# Allegro board SSOM_K1_Layout.brd (continued)
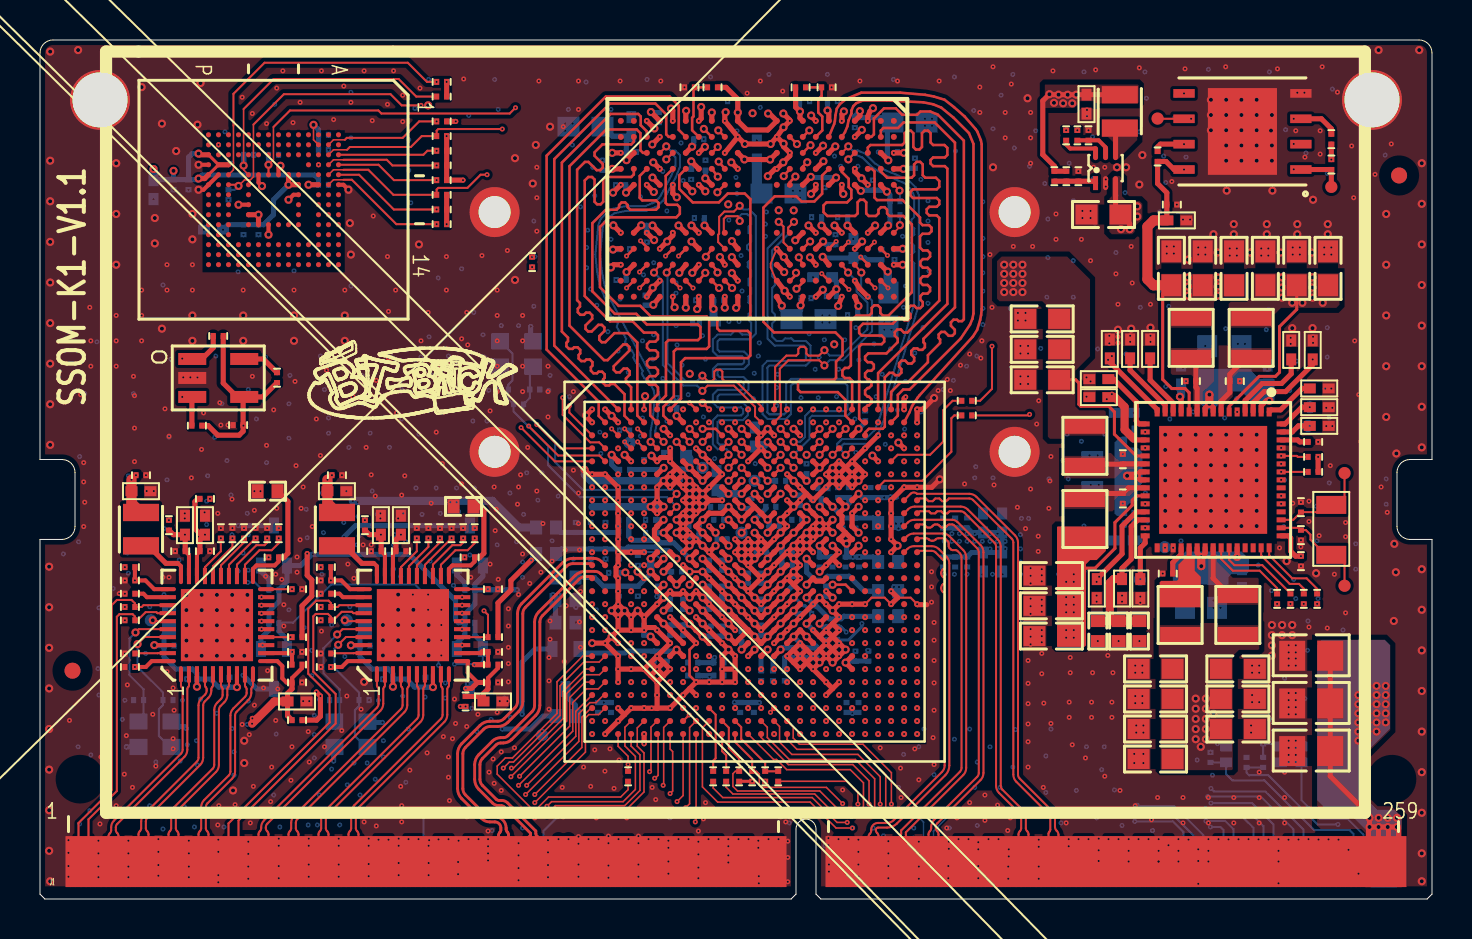
[diagram p0: board, top side]
## Routing (per net, layer and track width the routed paths; a pad name or vN(x,y) marks a point on that pad's centre or on a via; arc(x,y) is an arc through that point) (continued)
  BOTTOM w0.102: J1.16 v4(5.17,2.96)
CSI1_DP2: length 54.7
  L3 w0.102: v2(24.97,21.93) 24.87,21.83 arc(24.81,21.75) 24.79,21.64 24.79,21.46 arc(24.81,21.35) 24.87,21.27 25.77,20.36 arc(25.86,20.3) 25.97,20.28 27.67,20.28 arc(27.84,20.25) 27.99,20.15 28.18,19.96 v1(28.26,19.96)
  L6 w0.102: v4(6.67,3) 6.68,3 6.74,3.05 arc(6.77,3.09) 6.78,3.15 6.78,3.42 arc(6.82,3.61) 6.93,3.78 8.15,5 arc(8.21,5.09) 8.23,5.19 8.23,7.99 arc(8.21,8.09) 8.15,8.18 5.59,10.74 arc(5.5,10.8) 5.4,10.82 4.4,10.82 arc(4.21,10.86) 4.04,10.97 3.2,11.81 arc(3.09,11.98) 3.05,12.17 3.05,13.89 arc(3.09,14.08) 3.2,14.25 5.41,16.46 arc(5.58,16.57) 5.77,16.61 8.15,16.61 arc(8.26,16.65) 8.3,16.76 8.3,17.12 arc(8.27,17.21) 8.18,17.24 7.32,17.24 arc(7.03,17.36) 6.91,17.65 6.91,23.49 arc(6.95,23.68) 7.06,23.85 7.61,24.4 arc(7.77,24.51) 7.97,24.55 23.12,24.55 arc(23.32,24.51) 23.48,24.4 24.64,23.24 arc(24.75,23.07) 24.79,22.88 24.79,22.22 arc(24.81,22.11) 24.87,22.02 v2(24.97,21.93)
  BOTTOM w0.102: J1.22 v4(6.67,3)
CSI1_DP3: length 55.2
  L3 w0.102: v8(30.21,19.31) 30.2,19.31 v2(29.97,19.54)
  L6 w0.102: v4(8.17,3.02) 8.25,3.09 arc(8.29,3.16) 8.31,3.24 8.31,3.73 arc(8.35,3.92) 8.46,4.09 8.86,4.49 arc(8.92,4.58) 8.94,4.69 8.94,8.09 arc(8.92,8.2) 8.86,8.28 5.62,11.52 arc(5.53,11.58) 5.43,11.6 4.74,11.6 arc(4.54,11.64) 4.38,11.75 3.91,12.22 arc(3.8,12.39) 3.76,12.58 3.76,13.63 arc(3.8,13.83) 3.91,13.99 5.67,15.75 arc(5.83,15.86) 6.03,15.9 8.6,15.9 arc(8.7,15.92) 8.79,15.98 9.11,16.3 arc(9.17,16.39) 9.19,16.5 9.19,17.49 arc(9.17,17.59) 9.11,17.68 8.87,17.92 arc(8.78,17.98) 8.68,18 8.08,18 arc(7.75,18.14) 7.62,18.46 7.62,21.4 arc(7.77,21.76) 8.13,21.91 8.36,21.91 arc(8.62,22.16) 8.36,22.41 8.11,22.41 arc(7.76,22.56) 7.62,22.9 7.62,23.03 arc(7.66,23.23) 7.77,23.39 8.03,23.66 arc(8.2,23.77) 8.39,23.8 18.96,23.8 arc(19.16,23.77) 19.32,23.66 22.03,20.94 arc(22.12,20.88) 22.23,20.86 25.89,20.86 arc(26.09,20.82) 26.25,20.71 27.21,19.76 arc(27.24,19.73) 27.28,19.72 29.67,19.72 arc(29.78,19.7) 29.87,19.64 v2(29.97,19.54)
  BOTTOM w0.102: J1.28 v4(8.17,3.02)
CSI1_PWDN: length 66.9
  TOP w0.102: U1.D2 27.95,22.86 27.51,22.86 26.14,24.23 v1(26.14,25.1)
  L3 w0.102: v1(26.14,25.1) 26.14,25.27 21.59,29.82 6.12,29.82 4.19,27.89 4.19,17.7 2.64,16.15 2.64,11.05 11.53,2.16 18.54,2.16 v2(18.67,2.29)
  L6 w0.102: v2(18.67,2.29) 18.67,2.29 18.67,2.66 v4(18.67,2.67)
  BOTTOM w0.102: v4(18.67,2.67) 18.67,2.66 J1.70
CSI1_RST: length 21.7
  TOP w0.076: U1.AF9 32.81,3.9 v1(32.77,3.86)
  L3 w0.102: v2(32.54,4.11) 32.77,3.89 v1(32.77,3.86)
  L6 w0.102: v4(19.35,4.32) 21.74,4.32 23.06,5.64 25.86,5.64 27.51,3.99 32.41,3.99 v2(32.54,4.11)
  BOTTOM w0.102: v4(19.35,4.32) 19.17,4.14 J1.72
CSI2_CKN: length 37
  L3 w0.102: v8(29.56,18.01) v2(29.31,17.76)
  L6 w0.102: v4(17.67,3) 17.6,3.07 arc(17.56,3.14) 17.54,3.21 17.54,3.24 arc(17.51,3.4) 17.42,3.54 17.19,3.76 arc(17.03,3.87) 16.83,3.91 16.67,3.91 arc(16.57,3.93) 16.48,3.99 14.2,6.27 arc(14.14,6.36) 14.12,6.46 14.12,9.06 arc(14.14,9.16) 14.2,9.25 14.63,9.68 arc(14.74,9.85) 14.78,10.04 14.78,11.5 arc(14.74,11.69) 14.63,11.86 14.2,12.29 arc(14.14,12.38) 14.12,12.48 14.12,13.73 arc(14.14,13.83) 14.2,13.92 15.97,15.69 arc(16.06,15.75) 16.16,15.77 16.69,15.77 arc(17.05,15.92) 17.2,16.28 17.2,18.87 arc(17.22,18.97) 17.28,19.06 17.36,19.14 arc(17.5,19.2) 17.64,19.14 20.58,16.2 arc(20.74,16.09) 20.94,16.05 22.5,16.05 22.71,15.85 23.24,15.85 arc(23.6,16) 23.75,16.36 23.75,16.95 arc(23.77,17.06) 23.83,17.15 25.26,18.58 arc(25.35,18.64) 25.46,18.66 25.93,18.66 arc(26.03,18.64) 26.12,18.58 26.67,18.03 arc(26.83,17.92) 27.03,17.89 27.35,17.89 arc(27.39,17.88) 27.43,17.85 27.47,17.81 27.52,17.76 arc(27.55,17.74) 27.6,17.73 27.71,17.73 arc(27.75,17.74) 27.79,17.76 27.83,17.81 27.88,17.85 arc(27.91,17.88) 27.95,17.89 28.07,17.89 arc(28.11,17.88) 28.14,17.85 28.19,17.81 28.24,17.76 arc(28.27,17.74) 28.31,17.73 28.43,17.73 arc(28.47,17.74) 28.5,17.76 28.55,17.81 28.6,17.85 arc(28.63,17.88) 28.67,17.89 29.11,17.89 arc(29.18,17.87) 29.24,17.83 v2(29.31,17.76)
  BOTTOM w0.102: J1.66 v4(17.67,3)
CSI2_CKP: length 38
  L3 w0.102: v2(29.97,17.76) 29.97,17.78 v8(30.21,18.01)
  L6 w0.102: v2(29.97,17.76) 29.97,17.87 29.84,18 arc(29.71,18.09) 29.55,18.12 27.03,18.12 arc(26.92,18.14) 26.83,18.2 26.29,18.75 arc(26.12,18.86) 25.93,18.9 25.46,18.9 arc(25.26,18.86) 25.1,18.75 23.66,17.31 arc(23.55,17.15) 23.52,16.95 23.52,16.36 arc(23.43,16.16) 23.24,16.08 22.8,16.08 22.6,16.29 20.94,16.29 arc(20.83,16.31) 20.74,16.37 17.81,19.3 arc(17.5,19.43) 17.19,19.3 17.12,19.23 arc(17.01,19.06) 16.97,18.87 16.97,16.28 arc(16.89,16.08) 16.69,16 16.16,16 arc(15.97,15.96) 15.8,15.85 14.04,14.09 arc(13.93,13.92) 13.89,13.73 13.89,12.48 arc(13.93,12.29) 14.04,12.12 14.47,11.69 arc(14.53,11.6) 14.55,11.5 14.55,10.04 arc(14.53,9.93) 14.47,9.85 14.04,9.41 arc(13.93,9.25) 13.89,9.06 13.89,6.46 arc(13.93,6.27) 14.04,6.1 16.31,3.83 arc(16.48,3.72) 16.67,3.68 16.83,3.68 arc(16.94,3.66) 17.03,3.6 17.25,3.37 arc(17.29,3.31) 17.31,3.24 17.31,3.21 arc(17.29,3.14) 17.25,3.07 v4(17.17,3)
  BOTTOM w0.102: J1.64 v4(17.17,3)
CSI3_CKN: length 37.3
  L3 w0.102: v2(23.37,18.83) 23.46,18.92 arc(23.55,18.98) 23.66,19 24.46,19 arc(24.53,18.99) 24.6,18.94 24.67,18.88 arc(24.81,18.78) 24.97,18.75 25.89,18.75 25.94,18.7 25.99,18.64 26.2,18.64 26.25,18.7 26.3,18.75 26.5,18.75 26.56,18.7 26.61,18.64 26.81,18.64 26.87,18.7 26.92,18.75 27.46,18.75 arc(27.51,18.74) 27.55,18.71 v1(27.61,18.66)
  L6 w0.102: v4(11.68,3) 11.61,3.07 arc(11.56,3.14) 11.55,3.22 11.55,3.26 arc(11.51,3.45) 11.4,3.61 10.9,4.11 arc(10.84,4.2) 10.82,4.31 10.82,4.61 arc(10.84,4.72) 10.9,4.8 11.54,5.44 arc(11.65,5.6) 11.68,5.8 11.68,20.16 arc(11.7,20.26) 11.76,20.35 13.4,21.99 arc(13.49,22.05) 13.6,22.07 18.48,22.07 arc(18.59,22.05) 18.68,21.99 21.48,19.18 arc(21.65,19.07) 21.84,19.03 23.03,19.03 arc(23.15,19.01) 23.26,18.94 v2(23.37,18.83)
  BOTTOM w0.102: v4(11.68,3) 11.67,2.99 J1.42
CSI3_CKP: length 38.2
  L3 w0.102: v1(28.26,18.66) 28.08,18.83 arc(27.92,18.94) 27.72,18.98 24.97,18.98 arc(24.9,19) 24.83,19.04 24.76,19.11 arc(24.62,19.2) 24.46,19.24 23.66,19.24 arc(23.55,19.26) 23.46,19.32 v2(23.37,19.41)
  L6 w0.102: v2(23.37,19.41) 23.29,19.33 arc(23.22,19.28) 23.13,19.27 21.84,19.27 arc(21.74,19.29) 21.65,19.35 18.84,22.15 arc(18.68,22.26) 18.48,22.3 13.6,22.3 arc(13.4,22.26) 13.24,22.15 11.6,20.51 arc(11.49,20.35) 11.45,20.16 11.45,5.8 arc(11.43,5.69) 11.37,5.6 10.74,4.97 arc(10.63,4.81) 10.59,4.61 10.59,4.31 arc(10.63,4.11) 10.74,3.95 11.24,3.44 arc(11.29,3.36) 11.31,3.26 11.31,3.22 arc(11.3,3.14) 11.25,3.07 v4(11.17,3)
  BOTTOM w0.102: J1.40 v4(11.17,3)
CSI3_DN0: length 38
  L3 w0.102: v2(24.38,19.69) 24.45,19.76 arc(24.51,19.8) 24.58,19.82 24.83,19.82 arc(24.92,19.8) 24.99,19.75 25.23,19.51 arc(25.39,19.4) 25.59,19.36 25.98,19.36 arc(26.05,19.35) 26.1,19.31 26.11,19.3 arc(26.16,19.27) 26.22,19.25 26.3,19.25 arc(26.36,19.27) 26.41,19.3 26.42,19.31 arc(26.47,19.35) 26.53,19.36 26.61,19.36 arc(26.67,19.35) 26.72,19.31 26.73,19.3 arc(26.78,19.27) 26.84,19.25 26.92,19.25 arc(26.98,19.27) 27.03,19.3 27.04,19.31 arc(27.09,19.35) 27.15,19.36 27.55,19.36 v1(27.61,19.31)
  L6 w0.102: v2(24.38,19.69) 24.31,19.76 arc(24.24,19.81) 24.16,19.82 22.02,19.82 arc(21.82,19.86) 21.66,19.97 19.31,22.32 arc(18.74,22.7) 18.07,22.84 13.9,22.84 arc(13.36,22.73) 12.9,22.42 11.39,20.92 arc(11.14,20.54) 11.05,20.09 11.05,6.37 arc(10.98,6) 10.77,5.69 10.33,5.25 arc(10.12,4.93) 10.04,4.55 10.04,3.21 arc(10.06,3.14) 10.1,3.07 v4(10.17,3)
  BOTTOM w0.102: J1.36 v4(10.17,3)
CSI3_DN1: length 38.3
  L3 w0.102: v8(29.56,18.66) v2(29.26,18.53)
  L6 w0.102: v2(29.26,18.53) 29.18,18.61 arc(29.1,18.66) 29.01,18.68 28.83,18.68 arc(28.78,18.67) 28.74,18.64 28.68,18.58 28.63,18.53 arc(28.58,18.5) 28.53,18.49 28.44,18.49 arc(28.39,18.5) 28.34,18.53 28.29,18.58 28.24,18.64 arc(28.19,18.67) 28.14,18.68 28.05,18.68 arc(28,18.67) 27.95,18.64 27.9,18.58 27.85,18.53 arc(27.8,18.5) 27.75,18.49 27.66,18.49 arc(27.61,18.5) 27.56,18.53 27.51,18.58 27.46,18.64 arc(27.41,18.67) 27.36,18.68 27.2,18.68 arc(27.01,18.72) 26.84,18.83 26.64,19.03 arc(26.31,19.25) 25.92,19.32 25.49,19.32 arc(25.1,19.25) 24.77,19.02 24.18,18.44 arc(23.9,18.26) 23.58,18.19 22.86,18.19 22.66,18.39 21.54,18.39 arc(21.28,18.44) 21.06,18.59 18.44,21.21 arc(18.19,21.38) 17.89,21.44 14.19,21.44 arc(13.85,21.37) 13.56,21.18 12.67,20.29 arc(12.45,19.96) 12.37,19.57 12.37,4.25 12.38,4.25 arc(12.4,4.14) 12.46,4.05 12.92,3.59 arc(13,3.46) 13.04,3.31 13.04,3.23 arc(13.05,3.14) 13.1,3.07 v4(13.17,3)
  BOTTOM w0.102: J1.48 v4(13.17,3)
CSI3_DN2: length 36.7
  L3 w0.102: v1(27.61,18.01) 27.54,18.07 arc(27.49,18.11) 27.43,18.12 26.81,18.12 26.75,18.05 26.68,17.98 26.47,17.98 26.41,18.05 26.34,18.12 26.13,18.12 26.07,18.05 26,17.98 25.8,17.98 25.73,18.05 25.66,18.12 23.72,18.12 arc(23.61,18.1) 23.53,18.04 23.17,17.68 arc(23,17.57) 22.81,17.53 22.5,17.53 arc(22.41,17.49) 22.38,17.41 v2(22.38,17.36)
  L6 w0.102: v4(14.67,3) 14.61,3.06 arc(14.57,3.12) 14.56,3.18 14.56,3.94 arc(14.44,4.23) 14.15,4.35 13.09,4.35 arc(12.98,4.4) 12.93,4.51 12.93,9.74 arc(12.95,9.85) 13.01,9.94 13.36,10.29 arc(13.47,10.46) 13.51,10.65 13.51,10.76 arc(13.47,10.96) 13.36,11.12 13.01,11.48 arc(12.95,11.57) 12.93,11.67 12.93,19.49 arc(12.96,19.67) 13.07,19.82 13.83,20.59 arc(14.04,20.73) 14.28,20.78 17.77,20.78 arc(17.87,20.76) 17.96,20.7 21.02,17.64 arc(21.18,17.53) 21.38,17.49 22.24,17.49 arc(22.29,17.48) 22.33,17.46 22.38,17.41 v2(22.38,17.36)
  BOTTOM w0.102: J1.54 v4(14.67,3)
CSI3_DN3: length 36.8
  L3 w0.102: v1(27.61,17.36) 27.54,17.43 arc(27.48,17.47) 27.41,17.48 26.91,17.48 arc(26.87,17.47) 26.84,17.45 26.79,17.4 26.74,17.35 arc(26.71,17.33) 26.67,17.32 26.55,17.32 arc(26.51,17.33) 26.48,17.35 26.43,17.4 26.38,17.45 arc(26.35,17.47) 26.31,17.48 26.19,17.48 arc(26.15,17.47) 26.12,17.45 26.07,17.4 26.02,17.35 arc(25.99,17.33) 25.95,17.32 25.83,17.32 arc(25.79,17.33) 25.76,17.35 25.71,17.4 25.66,17.45 arc(25.63,17.47) 25.59,17.48 24.3,17.48 arc(24.15,17.45) 24.02,17.36 23.4,16.74 23.22,16.74 arc(23.21,16.74) 23.19,16.74 arc(23.2,16.73) 23.19,16.72 23.12,16.67 v2(23.01,16.57)
  L6 w0.102: v4(16.17,3) 16.11,3.07 arc(16.07,3.13) 16.05,3.2 16.05,3.37 arc(16.01,3.57) 15.9,3.73 14.77,4.86 arc(14.61,4.97) 14.42,5.01 13.84,5.01 arc(13.64,5.09) 13.56,5.28 13.56,9.46 arc(13.58,9.57) 13.64,9.66 13.97,9.99 arc(14.08,10.15) 14.12,10.34 14.12,11.17 arc(14.08,11.36) 13.97,11.53 13.64,11.86 arc(13.58,11.95) 13.56,12.05 13.56,14.6 arc(13.64,14.79) 13.84,14.87 14.04,14.87 arc(14.53,15.36) 14.04,15.85 13.79,15.85 arc(13.63,15.91) 13.56,16.07 13.56,16.14 arc(13.64,16.33) 13.83,16.41 16.06,16.41 arc(16.42,16.56) 16.57,16.92 16.57,19.3 arc(16.59,19.4) 16.65,19.49 17.14,19.99 arc(17.23,20.05) 17.34,20.07 17.51,20.07 arc(17.62,20.05) 17.71,19.99 20.85,16.84 arc(21.02,16.73) 21.21,16.69 22.78,16.69 arc(22.86,16.68) 22.93,16.64 v2(23.01,16.57)
  BOTTOM w0.102: J1.60 v4(16.17,3)
CSI3_DP0: length 39
  L3 w0.102: v2(24.36,20.23) 24.46,20.13 arc(24.55,20.07) 24.65,20.05 24.83,20.05 arc(25.01,20.02) 25.15,19.92 25.39,19.67 arc(25.48,19.62) 25.59,19.59 27.78,19.59 arc(27.96,19.56) 28.11,19.46 v1(28.26,19.31)
  L6 w0.102: v4(9.67,3) 9.75,3.07 arc(9.79,3.14) 9.81,3.21 9.81,4.55 arc(9.9,5.02) 10.17,5.42 10.6,5.85 arc(10.76,6.09) 10.82,6.37 10.82,20.09 arc(10.92,20.63) 11.23,21.08 12.73,22.59 arc(13.27,22.94) 13.9,23.07 18.07,23.07 arc(18.83,22.92) 19.47,22.49 21.83,20.14 arc(21.91,20.08) 22.02,20.05 24.1,20.05 arc(24.19,20.08) 24.27,20.13 v2(24.36,20.23)
  BOTTOM w0.102: J1.34 v4(9.67,3)
CSI3_DP1: length 39.1
  L3 w0.102: v8(30.21,18.66) v2(29.97,18.88)
  L6 w0.102: v4(12.67,3) 12.75,3.07 arc(12.79,3.13) 12.8,3.2 12.8,3.31 arc(12.79,3.37) 12.75,3.43 12.29,3.89 arc(12.18,4.05) 12.14,4.25 12.14,19.57 arc(12.24,20.05) 12.51,20.46 13.39,21.34 arc(13.76,21.59) 14.19,21.67 17.89,21.67 arc(18.28,21.59) 18.6,21.38 21.23,18.75 arc(21.37,18.66) 21.54,18.62 22.75,18.62 22.95,18.42 23.58,18.42 arc(23.81,18.47) 24.02,18.61 24.6,19.19 arc(25.01,19.46) 25.49,19.56 25.92,19.56 arc(26.4,19.46) 26.81,19.19 27.01,18.99 arc(27.1,18.93) 27.2,18.91 29.94,18.91 v2(29.97,18.88)
  BOTTOM w0.102: J1.46 v4(12.67,3)
CSI3_DP2: length 37.5
  L3 w0.102: v1(28.26,18.01) 28.2,18.01 28.01,18.2 arc(27.84,18.31) 27.65,18.35 23.72,18.35 arc(23.53,18.31) 23.36,18.2 23,17.84 arc(22.91,17.78) 22.81,17.76 22.62,17.76 arc(22.53,17.78) 22.46,17.83 v2(22.38,17.91)
  L6 w0.102: v4(14.17,3) 14.26,3.08 arc(14.31,3.16) 14.33,3.24 14.33,3.94 arc(14.28,4.06) 14.15,4.11 13.09,4.11 arc(12.81,4.23) 12.69,4.51 12.69,9.74 arc(12.73,9.94) 12.84,10.1 13.2,10.46 arc(13.26,10.54) 13.28,10.65 13.28,10.76 arc(13.26,10.87) 13.2,10.96 12.84,11.31 arc(12.73,11.48) 12.69,11.67 12.69,19.49 arc(12.75,19.76) 12.9,19.99 13.67,20.76 arc(13.95,20.94) 14.28,21.01 17.77,21.01 arc(17.96,20.97) 18.13,20.86 21.18,17.81 arc(21.27,17.75) 21.38,17.73 22.07,17.73 arc(22.18,17.75) 22.28,17.81 v2(22.38,17.91)
  BOTTOM w0.102: J1.52 v4(14.17,3)
CSI3_DP3: length 37.6
  L3 w0.102: v2(23.01,17.13) 23.12,17.02 23.17,16.99 arc(23.2,16.98) 23.22,16.98 23.3,16.98 23.85,17.53 arc(24.06,17.67) 24.3,17.71 27.68,17.71 arc(27.87,17.67) 28.04,17.56 28.24,17.36 v1(28.26,17.36)
  L6 w0.102: v2(23.01,17.13) 22.92,17.02 arc(22.83,16.95) 22.72,16.93 21.21,16.93 arc(21.11,16.95) 21.02,17.01 17.87,20.15 arc(17.71,20.26) 17.51,20.3 17.34,20.3 arc(17.14,20.26) 16.98,20.15 16.48,19.66 arc(16.37,19.49) 16.33,19.3 16.33,16.92 arc(16.25,16.72) 16.06,16.64 13.83,16.64 arc(13.48,16.5) 13.33,16.14 13.33,16.07 arc(13.46,15.75) 13.79,15.62 14.04,15.62 arc(14.3,15.36) 14.04,15.11 13.84,15.11 arc(13.48,14.96) 13.33,14.6 13.33,12.05 arc(13.37,11.86) 13.48,11.69 13.81,11.36 arc(13.87,11.27) 13.89,11.17 13.89,10.34 arc(13.87,10.24) 13.81,10.15 13.48,9.82 arc(13.37,9.66) 13.33,9.46 13.33,5.28 arc(13.48,4.92) 13.84,4.78 14.42,4.78 arc(14.52,4.75) 14.61,4.69 15.74,3.57 arc(15.8,3.48) 15.82,3.37 15.82,3.23 arc(15.8,3.15) 15.75,3.08 v4(15.67,3)
  BOTTOM w0.102: J1.58 v4(15.67,3)
CSI3_PWDN: length 71.8
  L3 w0.102: v1(41.91,13.46) v2(42.15,13.21)
  L6 w0.102: v2(42.15,13.21) v3(42.4,13.46) ; v4(22.17,3) 22.81,3 24.44,4.62 24.94,4.62 26.47,3.1 35.48,3.1 37.82,5.44 41.61,5.44 42.9,6.73 43.81,6.73 44.65,7.57 44.65,8.71 44.88,8.94 45.42,8.94 49.45,4.9 v3(60.22,4.9)
  L7 w0.102: v3(42.4,13.46) 42.4,13.72 43.8,15.12 54.98,15.12 60.33,9.78 60.33,5 v3(60.22,4.9)
  BOTTOM w0.102: J1.84 v4(22.17,3)
CSI3_RST: length 71.6
  TOP w0.102: U1.D4 v8(29.23,22.88)
  L3 w0.102: v8(29.23,22.88) 28.09,22.88 26.9,24.08 26.9,24.89 21.64,30.15 5.98,30.15 3.94,28.1 3.94,17.74 2.36,16.16 2.36,10.89 11.32,1.93 18.95,1.93 19.3,2.29 20.8,2.29 v2(20.9,2.39)
  L6 w0.102: v4(21.69,2.29) 21.01,2.29 v2(20.9,2.39)
  BOTTOM w0.102: J1.82 21.67,2.27 v4(21.69,2.29)
CSI_DVDD12: length 3.4
  TOP w0.254: U5.14 56.26,24.72 54.51,26.47 C168.2
CSI_I2C0_SCL: length 72.4
  TOP w0.102: U1.C4 v8(29.23,23.53)
  L3 w0.102: v2(19.86,1.47) 19.71,1.32 10.63,1.32 1.5,10.46 1.5,16.49 3.17,18.17 3.17,28.63 5.61,31.06 22.17,31.06 29.23,24.01 v8(29.23,23.53)
  L6 w0.102: v4(20.17,1.78) v2(19.86,1.47)
CSI_I2C0_SDA: length 74.6
  TOP w0.102: U1.C5 v8(29.88,23.53)
  L3 w0.102: v2(20.37,1.35) 20.14,1.12 10.41,1.12 1.19,10.33 1.19,16.57 2.92,18.3 2.92,28.81 5.48,31.37 22.15,31.37 29.88,23.64 v8(29.88,23.53)
  L6 w0.102: v2(20.37,1.35) 20.68,1.65 v4(20.68,1.78)
CSI_MCLK: length 79.5
  TOP w0.102: U1.D5 v8(29.88,22.88)
  L3 w0.102: v8(29.88,22.88) 30.22,23.22 30.22,23.6 22.17,31.66 5.36,31.66 2.67,28.96 2.67,18.45 0.91,16.69 0.91,10.21 10.25,0.86 21.01,0.86 v2(21.13,0.99)
  L6 w0.102: v2(21.13,0.99) 22,1.85 23.04,1.85 v4(23.16,1.98)
  BOTTOM w0.102: J1.88 23.17,1.97 v4(23.16,1.98)
CSI_VCCIO18: length 3.3
  TOP w0.254: U5.16 54.96,23.78 54.81,23.93 54.81,24.89 53.68,26.02 C169.2
DDR_CA_A0: length 28.4
  TOP w0.127: U6.H2 v5(38.46,38.47) ; U1.D19 v5(38.98,22.23)
  L6 w0.127: v5(38.98,22.23) 39.13,22.23 40.01,23.11 41.28,23.11 41.59,23.43 42.41,23.43 46.65,27.67 46.65,35.45 43.21,38.89 38.88,38.89 v5(38.46,38.47)
DDR_CA_A1: length 27.6
  TOP w0.127: U1.C19 v5(39.63,23.53) ; U6.J2 v5(37.85,37.79)
  L6 w0.127: v5(39.63,23.53) 40.35,24.26 42.16,24.26 45.76,27.86 45.76,34.8 45.12,35.45 44.75,35.45 44.62,35.57 44.62,35.98 44.5,36.11 44.32,36.11 44.19,35.98 44.19,35.57 44.06,35.45 43.89,35.45 43.76,35.57 43.76,35.98 43.63,36.11 42.57,36.11 42.08,36.59 41.57,36.59 41.45,36.72 41.45,37.29 41.32,37.41 41.14,37.41 41.01,37.29 41.01,36.72 40.89,36.59 40.22,36.59 39.46,37.35 38.29,37.35 v5(37.85,37.79)
DDR_CA_A2: length 27.5
  TOP w0.127: U1.D16 v5(37.03,22.88) ; U6.H9 v5(38.51,32.91)
  L6 w0.076: 36.71,23.8 36.71,23.21 v5(37.03,22.88)
  L6 w0.127: v5(38.51,32.91) 38.02,33.39 36.77,33.39 36.53,33.64 36.53,35.4 35.93,36 35.93,36.37 36.12,36.56 36.12,38.06 35.99,38.19 35.76,38.19 35.63,38.06 35.63,36.81 35.33,36.51 35.33,35.34 35.51,35.16 35.51,33.83 36.38,32.96 36.38,32.79 36.5,32.66 36.64,32.66 36.77,32.53 36.77,32.36 36.64,32.23 36.5,32.23 36.38,32.1 36.38,31.92 36.5,31.8 36.64,31.8 36.76,31.67 36.76,31.49 36.64,31.37 36.5,31.37 36.38,31.24 36.38,31.06 36.5,30.93 36.67,30.93 36.8,30.81 36.8,30.63 36.67,30.5 36.5,30.5 36.38,30.38 36.38,30.2 36.5,30.07 36.56,30.07 36.69,29.94 36.69,29.77 36.56,29.64 36.5,29.64 36.38,29.51 36.38,29.33 36.5,29.21 36.56,29.21 36.69,29.08 36.69,28.9 36.56,28.78 36.5,28.78 36.38,28.65 36.38,28.52 36.61,28.29 36.61,28.09 36.38,27.86 36.38,27.66 36.61,27.43 36.61,27.22 36.38,26.99 36.38,26.79 36.61,26.56 36.61,26.36 36.38,26.13 36.38,25.93 36.61,25.7 36.61,25.5 36.38,25.27 36.38,24.12 36.71,23.8
DDR_CA_A3: length 27.5
  TOP w0.127: U1.F15 v5(37.03,21.58) ; U6.H10 v5(37.94,32.12)
  L6 w0.076: 38.16,22.81 38.16,22.6 38.01,22.45 38.01,21.98 37.93,21.91 37.35,21.91 v5(37.03,21.58)
  L6 w0.127: v5(37.94,32.12) 37.94,32.38 38.07,32.51 39.74,32.51 39.87,32.38 39.87,31.88 40,31.76 40.17,31.76 40.3,31.88 40.3,32.38 40.43,32.51 41.44,32.51 41.57,32.38 41.57,31.12 41.69,30.99 42.64,30.99 42.77,31.12 42.77,33.01 42.9,33.14 43.5,33.14 43.72,32.91 43.72,30.99 43.59,30.87 43.51,30.87 43.38,30.74 43.38,30.56 43.51,30.44 43.59,30.44 43.72,30.31 43.72,30.13 43.59,30 43.51,30 43.38,29.88 43.38,29.7 43.51,29.57 43.59,29.57 43.72,29.45 43.72,28.79 41.03,26.1 39.96,26.1 38.16,24.3 38.16,22.81
DDR_CA_A4: length 27.4
  TOP w0.127: U1.C16 37.36,23.21 v5(37.03,23.54) ; U6.H11 38.14,30.86 v5(37.83,30.55)
  L6 w0.127: v5(37.83,30.55) 38.52,30.55 38.65,30.42 38.65,30.21 38.78,30.08 40.33,30.08 40.46,29.96 40.46,29.39 40.33,29.27 39.75,29.27 39.63,29.14 39.63,28.41 39.5,28.28 39.32,28.28 39.19,28.41 39.19,29.14 39.07,29.27 37.16,29.27 37.03,29.14 37.03,28.89 37.16,28.77 37.77,28.77 37.89,28.64 37.89,28.45 38.02,28.33 38.63,28.33 38.76,28.2 38.76,26.26 38.63,26.14 38.45,26.14 38.33,26.26 38.33,27.77 38.2,27.9 38.02,27.9 37.89,27.77 37.89,25.46 37.77,25.33 37.59,25.33 37.46,25.46 37.46,28.21 37.34,28.33 37.16,28.33 37.03,28.21 v5(37.03,23.54)
DDR_CA_A5: length 27.6
  TOP w0.127: U6.J11 37.5,30.95 37.8,31.25 v5(37.8,31.34) ; U1.E15 v5(37.03,22.23)
  L6 w0.076: v5(37.03,22.23) 37.28,22.23 37.36,22.31 37.36,23.74
  L6 w0.127: 37.36,23.74 37.36,24.16 40.04,26.84 41.19,26.84 41.33,26.98 41.33,27.2 41.2,27.33 40.34,27.33 40.21,27.46 40.21,27.65 40.34,27.78 42.05,27.78 42.18,27.91 42.18,28.07 42.05,28.2 40.26,28.2 40.14,28.33 40.14,28.55 40.29,28.71 42.82,28.71 42.95,28.83 42.95,29.04 42.82,29.17 41.53,29.17 41.4,29.3 41.4,29.57 41.53,29.7 42.83,29.7 42.96,29.82 42.96,30.09 42.83,30.21 41.47,30.21 40.77,30.91 40.06,30.91 39.27,31.7 38.16,31.7 v5(37.8,31.34)
DDR_CA_B0: length 27.3
  TOP w0.127: U1.D8 v5(31.83,22.88) ; U6.R2 v5(33.19,38.55)
  L6 w0.076: 30.8,23.32 30.91,23.21 31.51,23.21 v5(31.83,22.88)
  L6 w0.127: v5(33.19,38.55) 32.79,38.95 28.52,38.95 25.2,35.63 25.2,27.22 27.65,24.78 28.76,24.78 30.52,23.6 30.8,23.32
DDR_CA_B1: length 27
  TOP w0.127: v5(32.48,23.53) 32.8,23.21 U1.C9 ; U6.P2 v5(33.91,38.47)
  L6 w0.076: 31.24,24.27 31.5,24.01 31.76,23.83 v5(32.48,23.53)
  L6 w0.127: 31.24,24.27 30.68,24.82 30.68,25.31 30.41,25.58 28.16,25.58 26.12,27.63 26.12,34.94 27.36,36.18 29.8,36.18 30.12,36.5 31.56,36.5 32.34,37.28 34.19,37.28 34.4,37.49 34.4,37.99 v5(33.91,38.47)
DDR_CA_B2: length 25.4
  TOP w0.127: U1.D12 v5(35.08,22.23) ; U6.R9 v5(33.29,32.14)
  L6 w0.127: v5(33.29,32.14) 33.29,32.38 33.42,32.51 35.48,32.51 35.61,32.38 35.61,32.23 35.48,32.1 35.21,32.1 35.08,31.98 35.08,31.8 35.21,31.67 35.48,31.67 35.61,31.54 35.61,31.37 35.48,31.24 35.21,31.24 35.08,31.11 35.08,30.93 35.21,30.81 35.48,30.81 35.61,30.68 35.61,30.5 35.48,30.38 35.21,30.38 35.08,30.25 35.08,30.07 35.21,29.94 35.48,29.94 35.61,29.82 35.61,29.26 35.48,29.14 34.86,29.14 34.74,29.01 34.74,28.83 34.86,28.71 35.48,28.71 35.61,28.58 35.61,28.4 35.48,28.27 34.86,28.27 34.74,28.15 34.74,27.97 34.86,27.84 35.48,27.84 35.61,27.72 35.61,27.54 35.48,27.41 34.86,27.41 34.74,27.28 34.74,27.11 34.86,26.98 35.48,26.98 35.61,26.85 35.61,26.67 35.48,26.55 34.86,26.55 34.74,26.42 34.74,26.24 34.86,26.12 35.48,26.12 35.61,25.99 35.61,25.81 35.48,25.68 34.86,25.68 34.74,25.56 34.74,25.38 34.86,25.25 35.48,25.25 35.61,25.13 35.61,24.95 35.48,24.82 34.86,24.82 34.74,24.69 34.74,24.51 34.86,24.39 35.48,24.39 35.61,24.26 35.61,22.15 35.48,22.03 35.29,22.03 v5(35.08,22.23)
DDR_CA_B3: length 27.8
  TOP w0.127: U6.R10 33.88,31.41 v5(33.88,31.36) ; U1.E12 v5(34.43,21.58)
  L6 w0.076: 32.67,25.17 32.67,24.83 33.78,23.72 33.78,21.94 34.14,21.58 v5(34.43,21.58)
  L6 w0.127: v5(33.88,31.36) 33.88,31.18 33.67,30.97 28.32,30.97 28.13,31.16 28.13,32.78 28.26,32.91 29.08,32.91 29.2,33.03 29.2,33.24 29.08,33.37 27.88,33.37 27.66,33.14 27.66,28.64 28.1,28.2 29.29,28.2 29.42,28.07 29.42,27.2 29.54,27.08 30.85,27.08 32.67,25.26 32.67,25.17
DDR_CA_B4: length 25.4
  TOP w0.127: U6.R11 v5(33.95,30.59) ; U1.D13 v5(35.08,22.88)
  L6 w0.076: 33.93,24.08 34.04,23.97 34.04,22.64 34.12,22.56 34.91,22.56 35.08,22.73 v5(35.08,22.88)
  L6 w0.127: v5(33.95,30.59) 32.62,30.59 32.2,30.16 28.48,30.16 28.35,30.04 28.35,28.77 28.48,28.64 28.66,28.64 28.79,28.77 28.79,29.66 28.91,29.79 29.09,29.79 29.22,29.66 29.22,28.73 29.34,28.6 29.52,28.6 29.65,28.73 29.65,29.65 29.78,29.78 29.95,29.78 30.08,29.65 30.08,27.91 30.51,27.49 31.66,27.49 31.78,27.36 31.78,26.85 31.91,26.72 32.09,26.72 32.21,26.85 32.21,27.36 32.34,27.49 32.7,27.49 33.63,26.55 33.63,24.37 33.93,24.08
DDR_CA_B5: length 25.4
  TOP w0.127: U1.C13 v5(35.08,23.53) ; U6.P11 v5(34.6,30.59)
  L6 w0.127: v5(35.08,23.53) 34.36,24.26 34.36,24.73 34.23,24.85 34.14,24.85 34.01,24.98 34.01,25.16 34.14,25.29 34.23,25.29 34.36,25.41 34.36,25.59 34.23,25.72 34.14,25.72 34.01,25.84 34.01,26.02 34.14,26.15 34.23,26.15 34.36,26.28 34.36,26.79 34.1,27.04 33.7,27.04 33.58,27.17 33.58,27.33 33.7,27.46 34.3,27.46 34.43,27.58 34.43,27.74 34.3,27.87 30.67,27.87 30.55,28 30.55,28.13 30.67,28.26 34.31,28.26 34.43,28.39 34.43,28.63 34.31,28.75 30.63,28.75 30.5,28.88 30.5,29.06 30.63,29.19 33.16,29.19 33.29,29.32 33.29,29.94 33.42,30.07 34.48,30.07 34.6,30.2 v5(34.6,30.59)
DDR_CK_C_A: length 26.8
  TOP w0.102: U1.D17 v5(37.68,22.88) ; U6.J9 37.18,32.86 37.18,33.66 v5(36.94,33.9)
  BOTTOM w0.102: v5(36.94,33.9) 37.17,33.66 37.17,33.36 36.38,32.57 36.38,28.05 36.73,27.7 38.19,27.7 38.3,27.6 38.3,27.04 38.19,26.94 36.37,26.94 36.13,26.7 36.13,24.27 36.37,24.03 37.3,24.03 37.54,24.27 37.54,25.7 37.64,25.8 40.27,25.8 40.37,25.7 40.37,24.53 40.27,24.42 38.5,24.42 38.25,24.17 38.25,23.13 38,22.88 v5(37.68,22.88)
DDR_CK_C_B: length 26.2
  TOP w0.102: U1.D11 v5(34.43,22.88) ; v5(34.98,34.7) 34.7,34.41 34.22,34.41 33.96,34.15 33.96,33.3 33.91,33.25 33.91,32.88 U6.P9
  BOTTOM w0.102: v5(34.43,22.88) 34.29,22.75 33.98,22.75 33.88,22.85 33.88,23.87 33.98,23.97 35.15,23.97 35.39,24.21 35.39,24.61 35.15,24.85 33.98,24.85 33.88,24.95 33.88,25.15 33.98,25.25 35.18,25.25 35.42,25.49 35.42,25.89 35.18,26.13 33.98,26.13 33.88,26.23 33.88,26.43 33.98,26.53 35.2,26.53 35.44,26.77 35.44,27.17 35.2,27.41 33.98,27.41 33.88,27.51 33.88,27.92 33.98,28.02 35.51,28.02 35.79,28.3 35.79,34.19 35.46,34.52 35.16,34.52 v5(34.98,34.7)
DDR_CK_T_A: length 26.8
  TOP w0.102: U1.E17 v5(37.68,22.23) ; v5(37.7,33.9) 37.41,33.61 37.41,33.43 U6.J8
  BOTTOM w0.102: v5(37.68,22.23) 38.48,23.04 38.48,24.07 38.6,24.19 40.37,24.19 40.6,24.43 40.6,25.8 40.37,26.03 37.55,26.03 37.31,25.8 37.31,24.36 37.21,24.26 36.47,24.26 36.37,24.36 36.37,26.6 36.47,26.7 38.29,26.7 38.53,26.94 38.53,27.7 38.29,27.93 37.7,27.93 37.57,28.07 37.26,28.07 37.13,27.93 36.83,27.93 36.61,28.14 36.61,28.83 36.75,28.96 36.75,29.26 36.61,29.39 36.61,30.59 36.75,30.73 36.75,31.03 36.61,31.16 36.61,32.47 37.41,33.27 37.41,33.6 v5(37.7,33.9)
DDR_CK_T_B: length 26.2
  TOP w0.102: U1.E11 v5(34.43,22.23) ; U6.P8 34.19,33.4 34.19,34.05 34.32,34.18 34.88,34.18 34.98,34.08 v5(34.98,33.94)
  BOTTOM w0.102: v5(34.98,33.94) 34.98,34.18 35.09,34.29 35.36,34.29 35.56,34.09 35.56,33.79 35.43,33.65 35.43,33.35 35.56,33.22 35.56,32.91 35.35,32.7 35.35,32.55 35.56,32.34 35.56,32.04 35.38,31.87 35.38,31.64 35.56,31.47 35.56,31.16 35.43,31.03 35.43,30.73 35.56,30.6 35.56,30.29 35.43,30.16 35.43,29.85 35.56,29.72 35.56,29.42 35.43,29.28 35.43,28.98 35.56,28.85 35.56,28.39 35.41,28.25 35.11,28.25 34.94,28.42 34.71,28.42 34.54,28.25 33.88,28.25 33.65,28.01 33.65,27.41 33.88,27.17 35.11,27.17 35.21,27.07 35.21,26.87 35.11,26.77 33.88,26.77 33.65,26.53 33.65,26.13 33.88,25.89 35.08,25.89 35.18,25.79 35.18,25.59 35.08,25.49 33.88,25.49 33.65,25.25 33.65,24.85 33.88,24.61 35.05,24.61 35.15,24.51 35.15,24.31 35.05,24.21 33.88,24.21 33.65,23.97 33.65,22.75 33.88,22.51 34.33,22.51 34.43,22.41 v5(34.43,22.23)
